# Allegro board Coral-Dev-Board-baseboard-layout-Allegro.brd (continued)
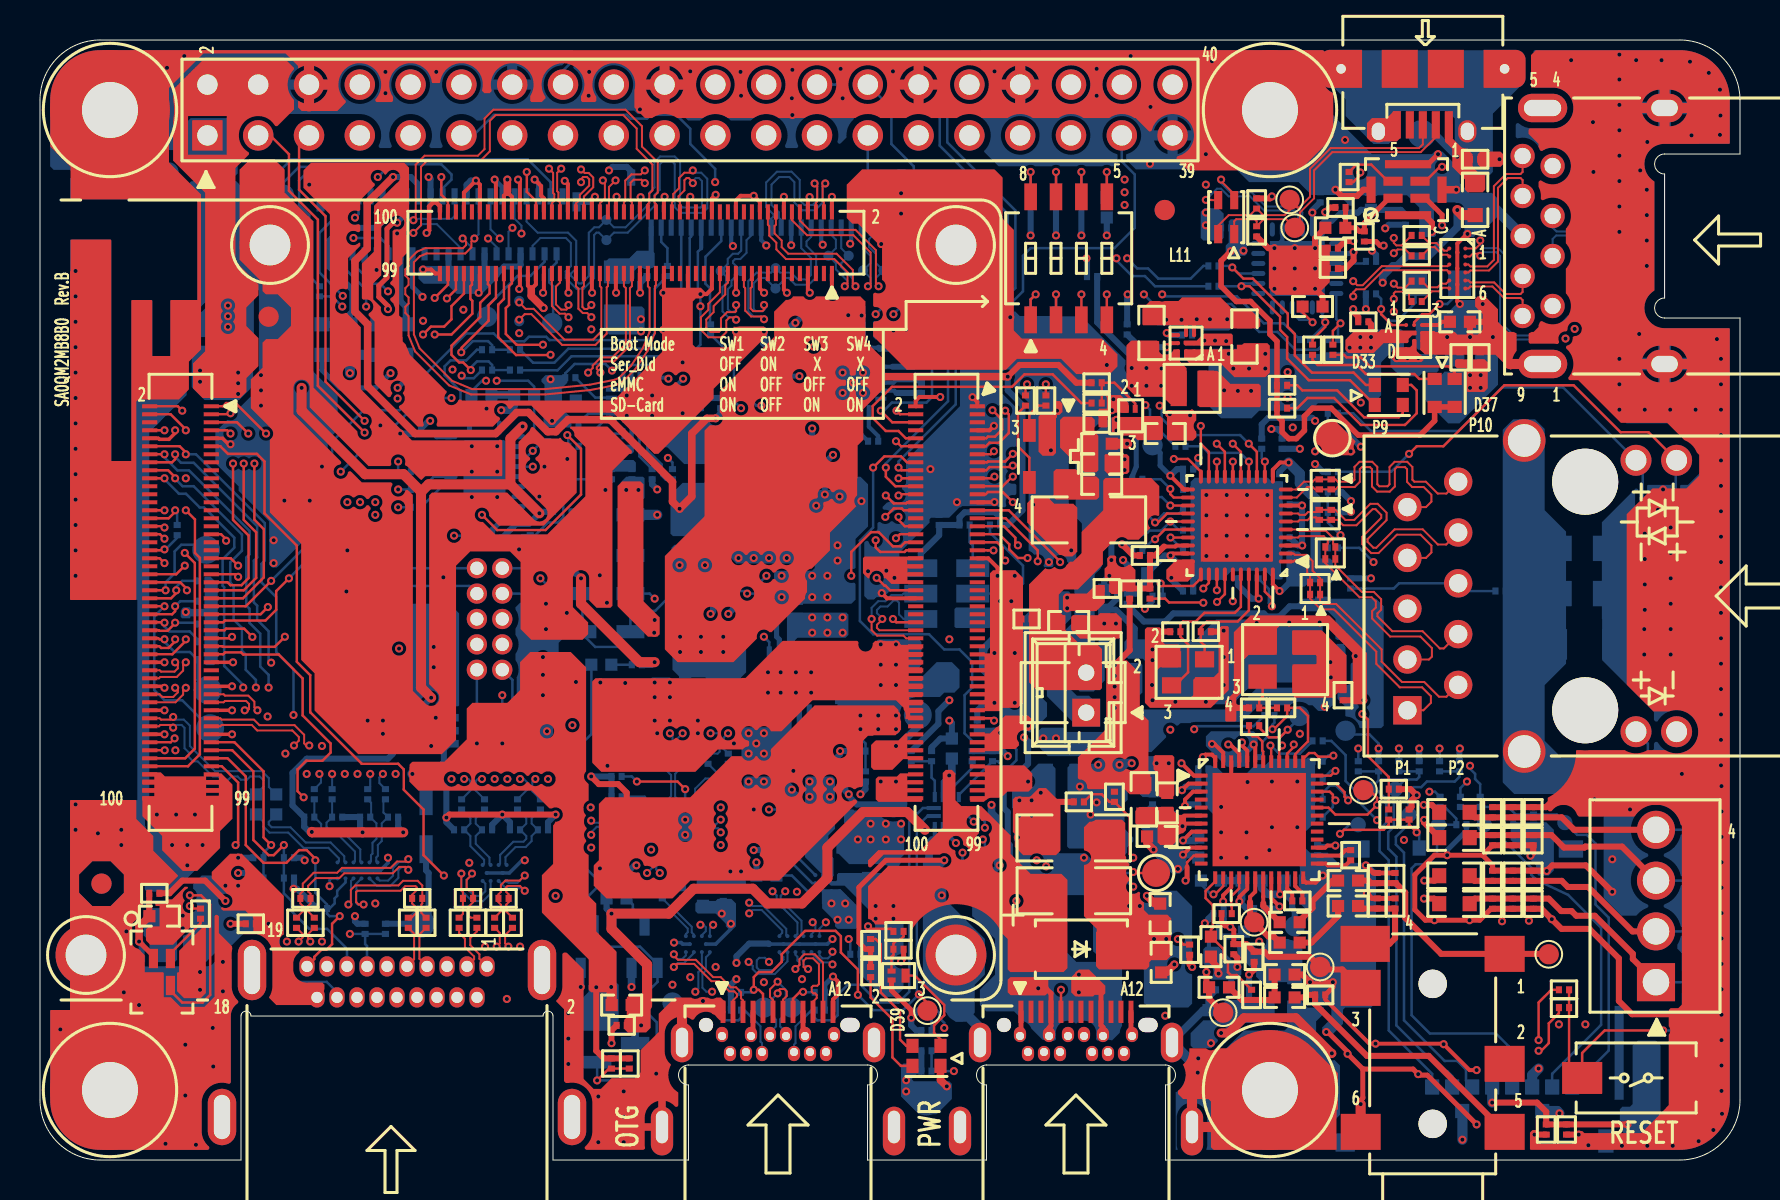
[diagram p0: board, top side]
## Routing (per net, layer and track width the routed paths; a pad name or vN(x,y) marks a point on that pad's centre or on a via; arc(x,y) is an arc through that point) (continued)
SAI2_TXD: length 79.7
  TOP w0.127: J1312.14 6.22,35.29 v1(6.22,35.28) ; v1(64.77,17.98) 64.64,18.11 64.64,18.26 64.49,18.42 U2.34
  L06_SIG2 w0.102: v1(11.43,23.62) 12.19,22.86 12.19,22.19 13.15,21.23 15.38,21.23 16.33,20.29 18.78,20.29 19.29,19.77 26.25,19.77 26.57,20.09 28.8,20.09 29.19,19.7 33.79,19.7 35.59,17.91 35.85,17.91 36.07,17.68 36.07,17.25 36.17,17.14 37.59,17.14 39.09,15.65 44.09,15.65 45.09,16.64 45.99,16.64 46.66,15.97 46.66,15.93 46.94,15.65 49,15.65 51.18,17.83 51.18,18.67 51.56,19.05 52.96,19.05 53.29,19.38 53.29,20.05 53.77,20.52 58.32,20.52 59.54,19.3 63.45,19.3 v1(64.77,17.98)
  BOTTOM w0.127: v1(6.22,35.28) 6.22,35.13 6.87,34.48 7.45,34.48 10.48,31.45 10.48,30.29 10.31,30.12 10.31,27.72 10.48,27.56 10.48,26.85 11.01,26.32 11.01,24.68 11.43,24.26 v1(11.43,23.62) ; v1(64.77,17.98) 64.64,17.86 64.64,17.65 C1.2
SAI2_TXFS: length 76.8
  TOP w0.127: J1312.16 6.6,34.89 6.76,35.04 v1(6.76,35.28) ; v1(64.77,19.46) 64.53,19.22 U2.36
  L06_SIG2 w0.102: v1(64.77,19.46) 64.31,19.91 61.37,19.91 61.09,20.19 61.09,20.95 59.69,22.35 56.03,22.35 55.12,21.44 53.39,21.44 52.7,20.75 52.5,20.75 52.12,20.37 50.67,20.37 49.91,19.61 49.91,18.8 49.53,18.41 46.99,18.41 46.71,18.14 44.04,18.14 43.82,17.91 40.67,17.91 40.54,17.78 39.24,17.78 38.99,18.03 38.99,18.29 38.74,18.54 38.32,18.54 37.79,19.08 37.51,19.08 36.65,19.94 35.05,19.94 34.16,20.83 30.1,20.83 29.74,21.18 25.88,21.18 25.63,20.93 24.36,20.93 23.85,21.44 18.77,21.44 17.2,23.01 14.71,23.01 12.85,24.87 v1(11.56,24.87)
  BOTTOM w0.127: v1(6.76,35.28) 6.76,35.15 7.05,34.86 7.68,34.86 10.86,31.69 10.86,30.13 10.69,29.97 10.69,27.88 10.86,27.72 10.86,27.01 11.43,26.44 11.43,24.99 v1(11.56,24.87) ; v1(64.77,19.46) 64.54,19.46 C4.1
SAI5_MCLK: length 2.9
  TOP w0.127: J1312.50 6.55,28.09 6.81,28.35 v1(6.81,28.49)
  BOTTOM w0.127: v1(6.81,28.49) 6.81,28.66 7.11,28.96 R154.1
SAI5_RXC: length 3
  TOP w0.127: v1(6.22,26.87) 6.2,26.89 J1312.56
  BOTTOM w0.127: R156.1 7.87,26.04 7.48,26.43 6.47,26.43 6.22,26.67 v1(6.22,26.87)
SAI5_RXD0: length 2.6
  TOP w0.127: v1(6.76,26.87) 6.76,26.84 6.37,26.46 5.97,26.46 5.94,26.49 J1312.58
  BOTTOM w0.127: v1(6.76,26.87) 7.81,26.87 R157.1
SAI5_RXD2: length 2.8
  TOP w0.127: J1312.54 6.6,27.29 6.76,27.44 v1(6.76,27.69)
  BOTTOM w0.127: v1(6.76,27.69) 7.01,27.94 R155.1
SAI5_RXFS: length 4.6
  TOP w0.127: v1(6.22,26.03) 5.97,26.03 5.92,26.09 J1312.60
  BOTTOM w0.127: TP82.1 7.87,24 R158.1 7.49,25.4 6.73,25.4 6.22,25.91 v1(6.22,26.03)
SBU1: length 1.9
  TOP w0.127: v1(38.15,8.41) 38,8.41 37.65,8.06 J1.A8
  BOTTOM w0.127: v1(38.15,8.41) 38.18,8.38 ESD3.2
SBU2: length 6.9
  BOTTOM w0.102: 35.73,6.98 36.03,6.69 36.03,5.92 36.1,5.84 J1.B8
  BOTTOM w0.127: TP25.1 32,7.49 33.66,7.49 34.16,6.99 34.93,6.99 35.05,7.11 ESD4.2 35.22,7.49 35.73,6.98
SD2_NCD: length 57.8
  TOP w0.127: v1(42.93,33.22) 42.99,33.29 J1310.24 ; v1(66.12,22.3) 66.4,22.02 66.4,20.19 67.44,19.15 R54.2 R97.2
  L03_SIG1 w0.102: v1(66.12,22.3) 66.11,22.31 66.11,22.49 65.47,23.13 65.47,23.32 65.58,23.43 66.19,23.43 66.29,23.53 66.29,23.74 66.19,23.84 65.38,23.84 65.28,23.94 65.28,24.14 65.38,24.25 66.19,24.25 66.29,24.35 66.29,24.55 66.19,24.65 65.38,24.65 65.28,24.75 65.28,25.5 65.38,25.6 66.19,25.6 66.29,25.7 66.29,25.91 66.19,26.01 65.38,26.01 65.28,26.11 65.28,26.31 65.38,26.42 66.19,26.42 66.29,26.52 66.29,26.72 66.19,26.82 65.38,26.82 65.28,26.92 65.28,26.95 64.16,28.07 61.72,28.07 61.32,28.47 60.48,28.47 60.22,28.22 60.22,27.91 59.72,27.41 58.08,27.41 57.65,27.84 57.43,27.84 57.33,27.94 57.33,28.6 57.23,28.7 57.03,28.7 56.93,28.6 56.93,27.94 56.82,27.84 56.62,27.84 56.52,27.94 56.52,28.35 56.42,28.45 56.21,28.45 56.11,28.35 56.11,28 56.02,27.91 55.89,27.91 55.2,28.6 55.2,29.13 55.1,29.23 54.89,29.23 54.79,29.13 54.79,28.52 54.69,28.42 54.49,28.42 54.39,28.52 54.39,29.13 54.29,29.23 54.08,29.23 53.98,29.13 53.98,28.52 53.86,28.4 53.36,28.4 52.7,29.06 50.39,29.06 50.29,28.96 50.29,28.04 50.19,27.94 49.99,27.94 49.89,28.04 49.89,29.36 49.79,29.46 49.58,29.46 49.48,29.36 49.48,28.4 49.38,28.3 49.18,28.3 49.07,28.4 49.07,28.73 48.97,28.83 47.72,28.83 47.47,29.08 47.33,29.08 47.12,28.87 46.97,28.87 46.83,29.01 46.83,29.16 47.04,29.37 47.04,29.51 46.9,29.65 46.75,29.65 46.54,29.44 46.4,29.44 46.25,29.59 46.25,29.73 46.46,29.94 46.46,30.09 46.32,30.23 46.18,30.23 45.97,30.02 45.82,30.02 45.68,30.16 45.68,30.31 45.89,30.52 45.89,30.66 45.75,30.8 45.6,30.8 45.39,30.6 45.25,30.6 45.1,30.74 45.1,30.88 45.31,31.09 45.31,31.24 45.17,31.38 45.03,31.38 44.82,31.17 44.67,31.17 44.53,31.31 44.53,31.46 44.74,31.67 44.74,31.81 44.6,31.95 44.45,31.95 44.24,31.75 44.1,31.75 43.95,31.89 43.95,32.03 44.16,32.24 44.16,32.39 43.33,33.22 v1(42.93,33.22)
SD2_NCD_R: length 6.6
  TOP w0.127: v1(65,16.31) 65.2,16.51 67.18,16.51 67.44,16.76 R97.1 ESD23.2 68.45,16.76 v1(68.83,16.38)
  BOTTOM w0.127: TP73.1 65.46,16.76 v1(65,16.31) ; v1(68.83,16.38) 68.96,16.26 J8.9
SD2_NRST: length 18.1
  TOP w0.127: J1310.36 43.26,30.89 43.05,30.68 42.65,30.68 41.94,31.39 41.55,31.39 40.56,30.4 v1(40.56,29.21)
  L06_SIG2 w0.102: v1(40.56,29.21) 40.18,28.83 36.7,28.83 v1(36.32,29.21)
  BOTTOM w0.127: v1(36.32,29.21) 36.07,28.96 32.26,28.96 30.76,27.46 29.9,27.46 29.52,27.08 D41.C
SD_CD_DAT3: length 40.8
  TOP w0.127: v1(41.78,30.99) 41.78,30.63 42.01,30.4 43.23,30.4 43.31,30.49 J1310.38
  L03_SIG1 w0.102: v1(41.78,30.99) 41.78,31.24 41.93,31.39 42.22,31.39 42.36,31.24 42.36,30.99 42.16,30.79 42.16,30.5 42.51,30.15 42.75,30.15 46.21,26.7 50.16,26.7 50.44,26.42 54.23,26.42 55.03,25.62 55.03,22.9 55.4,22.53 62.99,22.53 64.05,21.88 65.74,20.19 67.69,20.19 68.4,19.48 69.52,19.48 69.62,19.58 69.62,19.96 69.52,20.07 68.93,20.07 68.42,20.58 v1(67.95,20.58)
  BOTTOM w0.127: R160.1 v1(67.95,20.58)
SD_CD_DAT3_R: length 19.3
  BOTTOM w0.127: J8.2 70.61,4.19 70.36,4.45 70.1,4.45 67.82,6.73 67.82,15.16 67.41,15.57 67.41,16.38 67.69,16.66 67.69,18.47 TP79.1 68.25,19.02 68.83,19.02 68.96,19.15 68.96,19.43 67.95,19.43
SD_CLK: length 38
  TOP w0.127: v1(41.83,29.11) 42.23,28.71 42.28,28.71 42.51,28.49 J1310.48
  L03_SIG1 w0.102: v1(69.47,18.41) 69.19,18.69 68.33,18.69 67.44,19.58 65.43,19.58 65.18,19.84 64.14,19.84 63.81,20.17 63.81,20.35 64.18,20.72 64.18,20.89 64.06,21.01 63.89,21.01 63.63,20.74 63.46,20.74 63.39,20.81 63.39,21.46 63.37,21.48 63.37,21.49 63.2,21.66 62.78,21.92 55.14,21.92 54.42,22.64 54.42,25.36 54.05,25.73 50.27,25.73 49.91,26.09 45.95,26.09 43.31,28.73 42.39,28.73 42.01,29.11 v1(41.83,29.11)
  BOTTOM w0.127: v1(69.47,18.41) 69.75,18.41 R56.1
SD_CLK_R: length 20.2
  BOTTOM w0.127: R56.2 70.23,17.65 70.82,17.07 D7.K TP75.1 69.85,16.69 69.85,15.37 69.27,14.78 68.78,14.78 68.58,14.58 68.58,7.24 69.49,6.32 72.8,6.32 73.61,5.51 J8.5
SD_CMD: length 39.6
  TOP w0.127: J1310.26 43.36,32.89 43.31,32.83 42.68,32.83 v1(42.29,33.22)
  L03_SIG1 w0.102: v1(42.29,33.22) 42.98,32.53 43.09,32.53 43.31,32.31 43.31,32.1 46.89,28.52 48.52,28.52 49.43,27.61 50.29,27.61 51.41,28.73 52.6,28.73 53.23,28.09 55.27,28.09 55.93,27.43 57.61,27.43 58.01,27.03 60.22,27.03 60.45,27.25 62.12,27.25 62.22,27.36 62.22,27.58 62.32,27.69 62.53,27.69 62.63,27.58 62.63,27.36 62.73,27.25 64.54,27.25 64.97,26.82 64.97,23.19 65.63,22.53 65.63,22.12 65.94,21.82 66.52,21.82 66.95,21.39 69.36,21.39 69.98,20.78 v1(69.98,20.58)
  BOTTOM w0.127: R55.1 v1(69.98,20.58)
SD_CMD_R: length 21.1
  BOTTOM w0.127: 69.98,19.43 70.97,19.43 70.97,19.15 70.74,18.92 69.34,18.92 69.06,18.64 68.68,18.64 68.43,18.39 68.43,17.3 TP74.1 68.45,16.81 67.79,16.15 67.79,15.77 68.2,15.37 68.2,6.99 70.23,4.95 70.87,4.95 71.3,4.52 71.3,3.96 J8.3
SD_DAT0: length 40.7
  TOP w0.127: J1310.28 43.18,32.49 43.09,32.58 42.68,32.58 v1(42.27,32.16)
  L03_SIG1 w0.102: v1(71.35,18.92) 70.74,19.18 68.28,19.18 67.56,19.89 65.61,19.89 63.89,21.6 62.87,22.23 55.27,22.23 54.72,22.77 54.72,25.49 54.18,26.04 50.39,26.04 50.04,26.39 46.08,26.39 42.63,29.84 42.39,29.84 41.38,30.86 41.38,31.27 v1(42.27,32.16)
  BOTTOM w0.127: v1(71.35,18.92) 71.02,18.59 R57.1
SD_DAT0_R: length 19
  BOTTOM w0.127: J8.7 75.61,4.31 78.05,6.76 78.05,11.61 76.41,13.26 74.83,14 74.56,14.26 74.56,14.62 73.15,16.03 D6.K TP76.1 72.14,16.76 71.25,17.65 R57.2
SD_DAT1: length 41.2
  TOP w0.127: v1(42.93,32.16) 42.93,32 43.25,31.69 J1310.32
  L03_SIG1 w0.102: v1(71.5,19.71) 71.5,21.11 71.4,21.21 70.71,21.21 70.61,21.11 70.61,20.19 70.34,19.92 70.09,19.92 69.49,20.52 69.49,20.83 69.24,21.08 66.75,21.08 66.33,21.5 65.6,21.5 65.28,21.82 65.28,22.45 64.49,23.24 60.35,23.24 60.02,23.57 60.02,25.5 59.44,26.09 58.73,26.09 58.6,26.21 55.63,26.21 54.33,27.51 52.93,27.51 52.45,27.03 50.7,27.03 50.42,27.3 47.68,27.3 42.93,32.05 v1(42.93,32.16)
  BOTTOM w0.127: v1(71.5,19.71) 71.5,19.56 71.76,19.3 71.76,19.05 72.01,18.8 R58.1
SD_DAT1_R: length 19.7
  BOTTOM w0.127: R58.2 73.41,17.65 73.79,17.27 D4.K 75.84,17.27 TP77.1 76.86,16.26 77.34,16.26 77.78,15.82 77.78,12.78 78.44,12.12 78.44,5.48 J8.8
SD_DAT2: length 41.6
  TOP w0.127: v1(42.8,31.09) 42.99,31.29 J1310.34
  L03_SIG1 w0.102: v1(65.91,20.58) 65.91,20.98 65.81,21.08 65.28,21.08 64.9,21.46 64.9,22.1 64.77,22.23 64.11,22.23 63.42,22.91 60.22,22.91 59.69,23.44 59.69,25.3 59.26,25.73 58.42,25.73 58.24,25.91 55.5,25.91 54.2,27.2 53.06,27.2 52.57,26.72 50.57,26.72 50.29,27 47.55,27 43.63,30.92 43.49,30.92 43.35,30.77 43.35,30.63 46.69,27.29 46.69,27.14 46.54,27 46.4,27 42.8,30.6 v1(42.8,31.09)
  BOTTOM w0.127: R59.1 v1(65.91,20.58)
SD_DAT2_R: length 18.7
  BOTTOM w0.127: J8.1 69.61,4.31 67.44,6.48 67.44,14.99 66.98,15.44 66.98,16.54 67.31,16.87 67.31,18.03 66.8,18.54 TP78.1 66.93,18.97 66.93,19.43 65.91,19.43
SPDIF_RX: length 113.1
  TOP w0.127: v1(56.9,11.05) 57.18,10.77 R181.2 ; v1(20.07,49.15) 20.07,48.26 20.4,47.93 J1311.98
  L03_SIG1 w0.102: v1(20.07,49.15) 20.07,49.02 19.69,48.64 16.64,48.64 15.29,47.29 15.29,44.33 14.22,43.26 14.22,38.35 14.73,37.85 17.27,37.85 18.39,36.73 18.39,35.52 19.02,34.89 19.02,33.45 21.69,30.78 23.14,30.78 24.26,29.67 24.26,20.88 26.54,18.59 26.54,13.97 v1(25.78,13.21)
  L06_SIG2 w0.102: v1(66.85,16.99) 66.55,16.69 63.6,16.69 63.25,17.04 61.11,17.04 60.83,16.76 59.31,16.76 57.99,18.08 56.85,18.08 56.69,18.24 54.76,18.24 54.15,17.63 54.15,16.69 53.98,16.51 53.98,12.45 54.74,11.68 56.26,11.68 v1(56.9,11.05) 56.39,10.54 54.61,10.54 52.73,12.42 45.21,12.42 44.3,13.34 39.36,13.34 36.77,10.74 32.6,10.74 32.09,11.25 27.74,11.25 v1(25.78,13.21)
  BOTTOM w0.127: R20.2 64.57,20.95 65.28,20.24 65.28,18.95 65.91,18.31 65.91,17.93 v1(66.85,16.99)
SPO_L_N: length 15.4
  TOP w0.203: U2.48 58.76,20.11 58.6,20.27 58.27,20.27 v1(58.14,20.14)
  TOP w0.305: FB8.1 69.72,13.97 v1(69.22,13.97)
  L03_SIG1 w0.305: v1(69.22,13.97) 69.19,13.97 65.74,17.42 64.01,17.42 63.78,17.65 60.63,17.65 v1(58.14,20.14)
SPO_L_P: length 17.1
  TOP w0.203: U2.1 57.69,19.22 v1(57.07,19.84)
  TOP w0.305: FB7.1 69.71,13.07 v1(69.2,13.07)
  L03_SIG1 w0.305: v1(69.2,13.07) 69.2,13.22 65.51,16.92 63.65,16.92 63.42,17.14 60.33,17.14 57.63,19.84 v1(57.07,19.84)
SPO_R_N: length 12.5
  TOP w0.203: v1(60.1,20.88) 60.1,20.73 60.36,20.46 U2.44
  TOP w0.305: FB9.1 69.59,17.75 v1(69.19,17.75)
  L03_SIG1 w0.305: v1(69.19,17.75) 68.3,17.75 67.08,18.97 64.29,18.97 63.35,19.91 60.78,19.91 60.1,20.6 v1(60.1,20.88)
SPO_R_P: length 13.9
  TOP w0.203: v1(59.41,20.78) 59.51,20.78 59.96,20.33 U2.45
  TOP w0.305: v1(69.21,17) 69.21,16.87 FB10.1
  L03_SIG1 w0.305: v1(69.21,17) 68.99,17.22 68.07,17.22 66.83,18.47 64.01,18.47 63.07,19.41 60.43,19.41 59.41,20.42 v1(59.41,20.78)
SSRX1_CM_N: length 7.9
  L03_SIG1 w0.102: v1(33.02,11.76) 33.12,11.76 33.26,11.9 33.26,14.34 34.57,15.65 34.57,16.34 34.34,16.57 34.23,16.57 v1(34.04,16.38)
  BOTTOM w0.102: U17.C3 33.09,11.25 33.29,11.44 33.29,11.64 33.17,11.76 v1(33.02,11.76) ; U5.3 33.48,16.44 33.63,16.59 33.91,16.59 34.04,16.46 v1(34.04,16.38)
SSRX1_CM_P: length 7.9
  L03_SIG1 w0.102: v1(33.66,11.76) 33.49,11.93 33.49,14.24 34.8,15.55 34.8,16.43 34.43,16.8 34.25,16.8 v1(34.04,17.02)
  BOTTOM w0.102: U5.2 33.48,16.84 33.52,16.79 33.81,16.79 v1(34.04,17.02) ; v1(33.66,11.76) 33.49,11.6 U17.C4
SSRX1_N: length 8.1
  L06_SIG2 w0.102: J1.B10 35.18,5.52 35.18,5.64 34.98,5.84 34.98,8.15 33.95,9.17 33.28,9.17 32.96,8.85 32.96,8.6 v1(32.77,8.41)
  BOTTOM w0.102: U17.A3 33.09,9.57 32.92,9.39 32.92,8.57 v1(32.77,8.41)
SSRX1_P: length 8.1
  L06_SIG2 w0.102: J1.B11 34.75,5.65 34.75,8.05 33.86,8.94 33.38,8.94 33.19,8.75 33.19,8.43 33.26,8.36 33.55,8.36 v1(33.6,8.41)
  BOTTOM w0.102: v1(33.6,8.41) 33.32,8.41 33.12,8.61 33.12,9.31 33.3,9.49 33.3,10.13 33.49,10.33 U17.A4
SSRX2_CM_N: length 12.4
  L06_SIG2 w0.102: v1(37.26,13.44) 37.06,13.64 37.06,13.94 36.85,14.15 35.48,14.15 35.28,13.94 30.89,13.94 30.79,14.05 30.79,14.15 v1(30.99,14.35)
  BOTTOM w0.102: v1(37.26,13.44) 37.03,13.21 37.03,13 38.07,11.96 38.07,11.29 U16.C4 ; U5.8 31.86,15.21 31.76,15.11 31.76,14.95 31.59,14.78 30.89,14.78 30.81,14.7 30.81,14.52 30.98,14.35 v1(30.99,14.35)
SSRX2_CM_P: length 12.4
  L06_SIG2 w0.102: v1(36.63,13.44) 36.83,13.64 36.83,13.84 36.75,13.92 35.58,13.92 35.38,13.72 30.79,13.72 30.56,13.95 30.56,14.15 v1(30.35,14.35)
  BOTTOM w0.102: U5.9 31.46,15.21 31.56,15.11 31.56,15.04 31.51,14.99 30.81,14.99 30.61,14.78 30.61,14.61 v1(30.35,14.35) ; U16.C3 37.87,11.29 37.87,11.88 36.83,12.92 36.83,13.23 v1(36.63,13.44)
SSRX2_N: length 5.4
  TOP w0.102: J1.A10 38.65,7.92 38.84,8.1 38.84,8.26 38.76,8.33 38.67,8.33 38.58,8.42 38.58,8.64 38.66,8.71 38.86,8.71 38.95,8.8 38.95,9.79 38.65,10.08 38.3,10.08 38.18,9.96 38.18,9.65 38.28,9.55 v1(38.41,9.55)
  BOTTOM w0.102: U16.A4 38.17,10.26 38.07,10.16 38.07,10.06 38.18,9.96 38.18,9.78 v1(38.41,9.55)
SSRX2_P: length 5.5
  TOP w0.102: v1(37.77,9.55) 37.97,9.75 37.97,10.04 38.22,10.29 38.74,10.29 39.15,9.87 J1.A11
  BOTTOM w0.102: U16.A3 37.77,10.26 37.87,10.16 37.87,9.97 37.97,9.87 37.97,9.75 v1(37.77,9.55)
SSTX1_CM_C_N: length 2.6
  BOTTOM w0.102: U5.7 32.26,15.21 32.36,15.11 32.36,14.74 32,14.38 31.75,14.38 31.55,14.18 31.55,14.02 C8.1
SSTX1_CM_C_P: length 2.6
  BOTTOM w0.102: C7.1 31.75,13.97 31.75,14.09 31.83,14.17 32.08,14.17 32.56,14.65 32.56,15.11 32.66,15.21 U5.6
SSTX1_CM_N: length 2.5
  BOTTOM w0.102: U17.C1 32.29,11.3 32.39,11.39 32.39,11.57 31.55,12.41 31.55,12.65 31.12,13.08
SSTX1_CM_P: length 2.4
  BOTTOM w0.102: U17.C2 32.69,11.27 32.59,11.38 32.59,11.66 31.75,12.5 31.75,12.7 32.13,13.08
SSTX1_N: length 6.2
  TOP w0.102: v1(31.69,10.29) 31.69,10.22 31.9,10.01 32.79,10.01 33.66,9.14 34.04,9.14 34.54,8.64 34.8,8.64 35.05,8.38 35.05,8.08 35.15,7.98 J1.A3
  BOTTOM w0.102: U17.A1 32.29,10.23 32.11,10.05 31.85,10.05 31.69,10.21 v1(31.69,10.29)
SSTX1_P: length 6.2
  TOP w0.102: J1.A2 34.65,7.98 34.85,8.18 34.85,8.3 34.71,8.43 34.46,8.43 33.95,8.94 33.57,8.94 32.71,9.8 31.85,9.8 v1(31.69,9.65)
  BOTTOM w0.102: v1(31.69,9.65) 31.89,9.85 32.2,9.85 32.69,10.34 U17.A2
SSTX2_CM_C_N: length 2.5
  BOTTOM w0.102: C118.1 29.52,16.56 30.86,16.56 30.99,16.44 U5.11
SSTX2_CM_C_P: length 2.4
  BOTTOM w0.102: C117.1 29.46,16.76 30.92,16.76 30.99,16.84 U5.12
SSTX2_CM_N: length 14.4
  L06_SIG2 w0.102: v1(35.46,12.33) 35.3,12.49 34.97,12.49 34.58,12.88 30.44,12.88 28.09,15.22 28.09,16.42 28.01,16.5 27.8,16.5 v1(27.56,16.26)
  BOTTOM w0.102: v1(35.46,12.33) 35.62,12.5 36.09,12.5 37.11,11.47 37.11,11.36 36.97,11.22 U16.C1 ; C118.2 28.04,16.66 27.84,16.66 27.56,16.38 v1(27.56,16.26)
SSTX2_CM_P: length 14.4
  L06_SIG2 w0.102: v1(35.46,12.87) 35.31,12.72 35.06,12.72 34.67,13.11 30.53,13.11 28.32,15.32 28.32,16.51 28.11,16.73 27.8,16.73 v1(27.56,16.97)
  BOTTOM w0.102: C117.2 28.3,16.87 27.66,16.87 v1(27.56,16.97) ; v1(35.46,12.87) 35.62,12.7 36.17,12.7 37.31,11.56 37.31,11.26 U16.C2
SSTX2_N: length 11.9
  L03_SIG1 w0.102: v1(36.45,9.91) 36.37,9.83 35.95,9.83 35.85,9.93 35.85,10.21 36.06,10.41 36.66,10.41 37.12,9.96 38.62,9.96 38.81,9.76 38.81,5.71 J1.B3
  BOTTOM w0.102: U16.A1 36.97,10.34 37.17,10.15 37.17,10.02 36.65,9.5 35.97,9.5 35.84,9.63 35.84,9.98 35.97,10.11 36.25,10.11 v1(36.45,9.91)
SSTX2_P: length 11.9
  L03_SIG1 w0.102: v1(35.43,9.91) 35.62,10.1 35.62,10.31 35.96,10.64 36.75,10.64 37.21,10.19 38.71,10.19 39.04,9.86 39.04,5.66 J1.B2
  BOTTOM w0.102: U16.A2 37.37,9.93 36.74,9.3 35.88,9.3 35.64,9.54 35.64,9.7 v1(35.43,9.91)
SYS_NRST: length 84.5
  TOP w0.127: v1(74.93,5.46) 75.06,5.46 75.44,5.84 75.44,6.83 75.95,7.34 R180.2 ; J1312.63 9.16,25.29 9.25,25.38 10.05,25.38 10.16,25.27 11.94,25.27 13.13,24.08 13.13,22.23 14.53,20.83 14.53,20.37 14.12,19.96 13.31,19.96 12.88,19.53 12.88,18.44 v1(13.18,18.14)
  L03_SIG1 w0.102: v1(74.93,5.46) 74.04,5.46 72.9,6.6 64.77,6.6 64.48,6.9 59.58,6.9 59.46,7.01 58.1,7.01 50.43,14.68 v1(50.31,14.68)
  L06_SIG2 w0.102: v1(50.31,14.68) 49.97,14.35 48.62,14.35 48.23,13.97 45.8,13.97 45.52,14.25 38.58,14.25 36.93,15.9 34.73,15.9 34.19,15.37 33.88,15.37 33.63,15.62 33.63,16.41 32.51,17.53 30.02,17.53 29.21,18.34 19.3,18.34 19.05,18.59 13.64,18.59 v1(13.18,18.14)
UART1_RXD: length 65.5
  TOP w0.127: v1(20.35,43.08) 20.8,43.53 J1311.95
  L03_SIG1 w0.102: v1(20.35,43.08) 20.12,43.31 20.12,47.04 21.59,48.51 21.97,48.51 22.19,48.73 22.19,51.85 21.54,52.5 20.65,52.5 19.38,53.77 J15.10
  L06_SIG2 w0.102: v1(20.35,43.08) 20.47,42.95 21.77,42.95 24.19,40.53 24.27,40.53 25.02,39.78 28.35,39.78 28.7,40.13 31.29,40.13 31.42,40.26 32.36,40.26 33.15,39.47 36.82,39.47 37.61,40.27 39.15,40.27 39.24,40.36 45.31,40.36 49.28,44.32 53.01,44.32 53.21,44.52 53.21,45.09 53.72,45.59 54.46,45.59 56.11,43.94 v1(56.11,43.28)
  BOTTOM w0.127: v1(56.11,43.28) 56.21,43.18 59.84,43.18 61.19,41.83 62.18,41.83 R101.1
UART1_RXD_MCU: length 3.4
  TOP w0.127: v1(64.26,41.89) 64.26,41.66 63.63,41.02 63.63,40.77
  BOTTOM w0.127: R101.2 64.26,41.78 v1(64.26,41.89) 64.12,42.04 U19.13
UART1_TXD: length 74.5
  TOP w0.127: v1(19.15,41.27) 19.55,41.67 20.21,41.67 20.57,42.04 20.57,42.7 21.2,43.32 J1311.93
  L03_SIG1 w0.102: v1(19.15,41.27) 18.72,41.71 18.72,45.67 18.26,46.13 18.26,47.47 18.67,47.88 19.94,47.88 20.93,48.87 20.93,49.61 19.94,50.6 19.94,51.94 19.18,52.7 17.06,52.7 J15.8
  L06_SIG2 w0.102: v1(19.15,41.27) 19.66,40.77 21.22,40.77 21.92,40.07 21.92,38.81 22.14,38.58 23.48,38.58 24.73,37.34 27.1,37.34 27.61,36.83 30.99,36.83 31.93,37.77 32.54,37.77 33.63,38.86 37.07,38.86 37.8,39.6 39.5,39.6 39.65,39.75 45.57,39.75 49.53,43.71 54.76,43.71 v1(55.19,43.28)
  BOTTOM w0.127: R102.1 63.88,40.51 62.76,40.51 61.87,41.4 60.96,41.4 59.56,42.8 55.68,42.8 v1(55.19,43.28)
UART1_TXD_MCU: length 3.7
  TOP w0.127: 64.64,40.77 64.64,41.45 v1(65.02,41.83)
  BOTTOM w0.127: R102.2 64.9,41.71 v1(65.02,41.83) 64.82,42.04 U19.12
UART2_RXD_CPU: length 12.7
  TOP w0.127: D33.4 66.29,38.75 65.68,39.37 63.6,39.37 62.74,40.23 62.74,41.31 62.39,41.66 62.39,42.33 60.64,44.07 60.17,44.07 v1(59.61,44.63)
  BOTTOM w0.127: R94.2 59.54,44.7 v1(59.61,44.63) 59.91,44.33 U19.21
UART2_TXD_CPU: length 12.2
  TOP w0.127: v1(60.07,43.69) 60.49,43.69 62.01,42.17 62.01,41.5 62.36,41.15 62.36,40.07 63.44,38.99 65.5,38.99 D33.2
  BOTTOM w0.127: U19.20 60.21,43.83 v1(60.07,43.69) R95.2
UART3_RXD: length 55.1
  TOP w0.127: J1311.97 20.4,43.76 v1(19.74,43.1)
  L03_SIG1 w0.102: J15.11 21.36,50.94 21.36,48.79 19.81,47.24 19.81,43.18 v1(19.74,43.1) ; v1(33.76,48.9) 33.22,48.36 33.22,47.8 33.63,47.4 40.18,47.4 40.67,47.88 44.86,47.88 45.34,48.36 46.76,48.36 49.4,45.72 53.85,45.72 54.36,45.21 v1(54.36,45.09)
  BOTTOM w0.127: v1(54.36,45.09) 54.86,44.58 55.4,44.58 55.91,44.07 57.53,44.07 58.17,44.7 R94.1 ; J15.11 21.66,51.23 22.69,52.26 29.34,52.26 29.53,52.07 30.35,52.07 30.54,52.26 31.82,52.26 32.51,51.56 32.51,50.8 33.76,49.56 v1(33.76,48.9)
UART3_TXD: length 67.9
  TOP w0.127: J1311.91 21.6,43.76 21.52,43.69 21.52,43.05 21.62,42.96 21.62,42.32 20.57,41.27 v1(19.74,41.27)
  L03_SIG1 w0.102: v1(19.74,41.27) 19.36,40.89 18.92,40.89 18.42,41.4 18.42,45.21 17.4,46.23 17.4,47.04 18.62,48.26 19.81,48.26 20.6,49.05 20.6,49.3 19.56,50.34 19.56,51.69 18.92,52.32 17.08,52.32 J15.7
  L06_SIG2 w0.102: v1(19.74,41.27) 19.94,41.07 21.35,41.07 23.53,38.89 23.61,38.89 24.85,37.64 31.34,37.64 31.85,38.15 32.39,38.15 33.4,39.17 36.94,39.17 37.7,39.92 39.34,39.92 39.47,40.06 45.44,40.06 49.4,44.02 53.54,44.02 53.82,44.3 v1(53.82,45.09)
  BOTTOM w0.127: R95.1 55.75,43.69 55.25,44.2 54.61,44.2 53.82,44.98 v1(53.82,45.09)
USB1_D_N: length 39.9
  TOP w0.102: J1311.53 29.2,43.69 29.29,43.59 29.29,40.81 28.62,40.13 28.05,40.13 27.64,39.72 27.64,39.6 v1(27.41,39.37)
  L03_SIG1 w0.102: v1(27.41,39.37) 27.48,39.29 27.48,38.64 27.55,38.57 28.15,37.98 28.45,37.68 28.45,35.18 28.68,34.95 28.68,32.06 32.41,28.33 32.41,24.92 35.59,21.74 36.42,21.74 36.7,21.46 36.7,18.14 37.18,17.66 37.18,14.82 38.87,13.13 38.87,11.96 38.8,11.89 v1(38.63,11.89)
  BOTTOM w0.102: U16.C5 38.57,11.29 38.77,11.49 38.77,11.75 v1(38.63,11.89)
USB1_D_P: length 39.8
  TOP w0.102: J1311.51 29.6,43.69 29.5,43.59 29.5,40.72 28.7,39.93 28.13,39.93 27.84,39.64 27.84,39.55 v1(28.02,39.37)
  L03_SIG1 w0.102: v1(28.02,39.37) 27.71,39.07 27.71,38.73 28.31,38.14 28.68,37.77 28.68,35.27 28.91,35.04 28.91,32.16 32.64,28.42 32.64,25.02 35.69,21.97 36.52,21.97 36.93,21.56 36.93,18.23 37.41,17.76 37.41,14.92 39.1,13.22 39.1,12.08 v1(39.29,11.89)
  BOTTOM w0.102: U16.C6 38.97,11.57 v1(39.29,11.89)
USB1_ID: length 63.1
  TOP w0.127: J1311.76 24.8,47.96 24.34,48.41 v1(24.34,49.4)
  L03_SIG1 w0.102: v1(24.34,49.4) 24.34,48.54 24.05,48.26 22.73,48.26 22.23,47.75 21.82,47.75 20.73,46.66 20.73,43.99 21.59,43.13 21.59,41.06 22.41,40.23 23.09,40.23 24.13,39.19 24.13,38.35 25.15,37.34 25.15,36.45 25.91,35.69 25.91,30.43 26.62,29.72 26.62,28.93 28.63,26.92 28.63,20.9 30.18,19.35 33.99,19.35 35.18,18.16 35.81,18.16 v1(36.45,17.53)
  L06_SIG2 w0.102: v1(47.14,16.03) 47.14,16.17 46.78,16.54 46.53,16.54 46.07,16.99 43.82,16.99 43.23,16.41 40.74,16.41 40.51,16.64 39.75,16.64 39.31,16.2 38.97,16.2 37.71,17.45 36.6,17.45 36.53,17.53 v1(36.45,17.53)
  BOTTOM w0.127: Q3.1 37.37,17.24 37.08,17.53 v1(36.45,17.53) ; U9.9 45.94,16.42 46.53,15.82 46.53,15.29 46.84,14.99 R3.1 47.24,15.93 v1(47.14,16.03)
USB1_RX_DR_N: length 3
  BOTTOM w0.102: U5.17 32.66,18.1 32.75,18.19 32.75,18.56 33.27,19.08 33.75,19.08 33.87,19.19 33.87,19.34 C13.2
USB1_RX_DR_P: length 3
  BOTTOM w0.102: C119.2 34.07,19.47 34.07,19.11 33.84,18.87 33.35,18.87 32.96,18.48 32.96,18.16 33.06,18.06 U5.18
USB1_RX_N: length 40.7
  TOP w0.102: v1(27.05,48.89) 27.05,49.04 27.16,49.15 27.35,49.15 27.46,49.04 27.46,48.72 26.99,48.26 26.99,48.02 26.8,47.83 J1311.66
  L03_SIG1 w0.102: v1(33.53,21.34) 33.53,21.51 33.66,21.64 33.81,21.64 34,21.45 34,20.92 33.78,20.7 30.86,20.7 30.23,21.34 30.23,28.24 27,31.47 27,36.73 24.99,38.73 24.99,39.62 24.74,39.88 24.74,43.58 26.87,45.71 26.87,48.71 v1(27.05,48.89)
  BOTTOM w0.102: C13.1 33.88,20.32 33.98,20.42 33.98,21.24 33.88,21.34 v1(33.53,21.34)
USB1_RX_P: length 40.8
  TOP w0.102: J1311.64 27.2,48.17 27.66,48.64 27.66,49.12 27.43,49.35 27.23,49.35 v1(27.05,49.53)
  L03_SIG1 w0.102: v1(27.05,49.53) 26.64,49.12 26.64,45.81 24.51,43.67 24.51,39.78 24.77,39.53 24.77,38.64 26.77,36.63 26.77,31.38 30,28.15 30,21.24 30.77,20.47 33.88,20.47 34.23,20.82 34.23,21.16 v1(34.4,21.34)
  BOTTOM w0.102: C119.1 34.19,20.55 34.19,21.12 v1(34.4,21.34)
USB1_TX_DR_N: length 2.2
  BOTTOM w0.102: C116.2 31.24,19.56 31.55,19.25 31.55,18.19 31.46,18.1 U5.14
USB1_TX_DR_P: length 2.3
  BOTTOM w0.102: C115.2 31.76,19.31 31.76,18.16 31.86,18.06 U5.15
USB1_TX_N: length 34.6
  TOP w0.102: v1(28.14,48.98) 28.25,48.88 28.25,48.08 28,47.83 J1311.60
  L03_SIG1 w0.102: v1(28.14,48.98) 28.3,48.83 28.3,48.51 28.17,48.38 28.17,46.14 25.63,43.6 25.63,40.75 26.57,39.81 26.57,38.23 27.61,37.19 27.61,31.78 31.27,28.12 31.27,24.7 31.9,24.06 31.9,21.74 31.72,21.56 31.72,21.44 31.62,21.34 v1(31.5,21.34)
  BOTTOM w0.102: C116.1 31.62,20.7 31.62,21.21 v1(31.5,21.34)
USB1_TX_P: length 34.5
  TOP w0.102: J1311.58 28.4,47.7 28.45,47.75 28.45,48.65 v1(28.78,48.98)
  L03_SIG1 w0.102: v1(32.13,21.34) 32.13,24.16 31.5,24.79 31.5,28.22 27.84,31.88 27.84,37.29 26.8,38.33 26.8,39.9 25.86,40.84 25.86,43.51 28.4,46.05 28.4,48.29 28.52,48.41 28.52,48.73 v1(28.78,48.98)
  BOTTOM w0.102: C115.1 31.83,20.75 31.83,21.03 v1(32.13,21.34)
USB1_VBUS: length 57.1
  TOP w0.203: J1311.82 23.6,48.16 23.37,48.39 23.2,48.21 J1311.84
  TOP w0.381: 23.37,48.39 v1(23.37,49.02)
  L03_SIG1 w0.102: v1(23.37,49.02) 22.99,48.64 22.53,48.64 22.06,48.17 21.76,48.17 20.42,46.84 20.42,43.81 20.73,43.51 20.73,41.49 22.31,39.9 22.96,39.9 23.75,39.12 23.75,38.23 24.77,37.21 24.77,36.4 25.6,35.56 25.6,29.82 25.81,29.62 25.81,21.67 28.07,19.41 28.07,18.75 31.93,14.88 31.93,11.66 32.84,10.74 34.29,10.74 34.82,11.28 39.22,11.28 39.37,11.43 40.06,11.43 v1(40.44,11.05)
  BOTTOM w0.127: v1(40.44,11.05) 40.51,10.97 40.51,10.29
USB2_D_N: length 51.6
  TOP w0.102: J1311.65 26.8,43.69 26.92,43.57 26.92,42.57 27.14,42.35 27.36,42.35 v1(27.57,42.14) ; v1(67.69,46.1) 67.69,45.86 67.82,45.73 68.08,45.73 R28.1
  L03_SIG1 w0.102: v1(27.57,42.14) 27.69,42.27 28.24,42.27 28.42,42.44 32.16,42.44 33.81,40.79 36.53,40.79 36.8,41.07 41.99,41.07 42.27,40.79 48.41,40.79 49.86,42.24 55.93,42.24 56.21,42.52 63.62,42.52 64.41,43.31 64.41,44.98 65.18,45.75 65.18,46.79 65.58,47.19 67.49,47.19 68.12,46.57 68.12,45.87 68.02,45.76 67.82,45.76 67.69,45.89 v1(67.69,46.1)
